# KiCad board haptic display 8x8 aisler.kicad_pcb (continued)
## Routing (per net, layer and track width the routed paths; a pad name or vN(x,y) marks a point on that pad's centre or on a via; arc(x,y) is an arc through that point) (continued)
20,17.05 20.27,17.06 20.54,17.09 20.81,17.15 21.07,17.24 21.32,17.34 21.56,17.47 21.79,17.63 22.01,17.8 22.2,17.99 22.38,18.2 22.54,18.43 22.68,18.67 22.8,18.92 22.89,19.18 22.95,19.45 23,19.72 23.01,20 23,20.28 22.97,20.55 22.91,20.83 22.82,21.09 22.71,21.35 22.58,21.6 22.42,21.83 22.25,22.05 22.05,22.25 21.84,22.43 21.61,22.6 21.36,22.74 21.11,22.85 20.84,22.95 20.56,23.02 20.28,23.06 20,23.07 19.72,23.07 19.43,23.03 19.16,22.97 18.88,22.88 18.62,22.77 18.37,22.63 18.13,22.47 17.91,22.29 17.7,22.09 17.52,21.88 17.35,21.64 17.21,21.39 17.09,21.13 16.99,20.86 16.92,20.58 16.88,20.29 16.86,20 16.87,19.71 16.91,19.42 16.97,19.14 17.06,18.86 17.17,18.59 17.31,18.34 17.48,18.09 17.66,17.87 17.86,17.66 18.09,17.47 18.33,17.3 18.58,17.15 18.85,17.03 19.13,16.93 19.41,16.86 19.71,16.82 20,16.8 20.28,16.81 20.56,16.84 20.83,16.9 21.1,16.98 21.36,17.08 21.61,17.21 21.85,17.36 22.07,17.53 22.28,17.72 22.48,17.92 22.65,18.14 22.81,18.38 22.94,18.63 23.05,18.89 23.14,19.16 23.21,19.43 23.25,19.72 23.26,20 23.25,20.28 23.22,20.57 23.16,20.85 23.08,21.12 22.97,21.39 22.84,21.64 22.69,21.89 22.52,22.11 22.33,22.33 22.12,22.53 21.89,22.7 21.65,22.86 21.4,23 21.13,23.11 20.86,23.2 20.58,23.27 20.29,23.31 20,23.32 19.71,23.32 19.42,23.28 19.14,23.22 18.86,23.14 18.59,23.03 18.33,22.9 18.08,22.74 17.84,22.57 17.63,22.37 17.43,22.16 17.25,21.93 17.08,21.68 16.95,21.42 16.83,21.15 16.74,20.87 16.67,20.59 16.63,20.29 16.61,20 16.62,19.7 16.66,19.41 16.72,19.12 16.8,18.84 16.91,18.56 17.05,18.3 17.21,18.04 17.38,17.8 17.58,17.58 17.8,17.38 18.04,17.19 18.29,17.03 18.55,16.89 18.82,16.77 19.11,16.68 19.4,16.61 19.7,16.57 20,16.55 20.29,16.56 20.57,16.59 20.85,16.65 21.12,16.72 21.39,16.83 21.65,16.95 21.9,17.09 22.14,17.26 22.36,17.44 22.56,17.64 22.75,17.86 22.92,18.09 23.07,18.34 23.2,18.6 23.31,18.86 23.4,19.14 23.46,19.42 23.5,19.71 23.51,20 23.5,20.29 23.47,20.58 23.41,20.86 23.33,21.14 23.23,21.42 23.11,21.68 22.96,21.93 22.79,22.17 22.61,22.4 22.4,22.61 22.18,22.8 21.94,22.97 21.69,23.13 21.43,23.26 21.16,23.37 20.88,23.46 20.59,23.52 20.29,23.56 20,23.57 19.7,23.57 19.41,23.53 19.12,23.48 18.83,23.39 18.56,23.29 18.29,23.16 18.03,23.01 17.79,22.84 17.56,22.65 17.35,22.44 17.15,22.22 16.97,21.98 16.82,21.72 16.68,21.45 16.57,21.18 16.48,20.89 16.42,20.6 16.38,20.3 16.36,20 16.37,19.7 16.41,19.4 16.46,19.1 16.55,18.81 16.65,18.53 16.78,18.26 16.94,18 17.11,17.75 17.3,17.52 17.51,17.3 17.74,17.1 17.99,16.92 18.25,16.76 18.52,16.63 18.8,16.51 19.09,16.42 19.39,16.36 19.69,16.32 20,16.3 20.29,16.31 20.58,16.34 20.87,16.39 21.15,16.47 21.42,16.57 21.69,16.69 21.94,16.83 22.19,16.99 22.42,17.17 22.64,17.36 22.84,17.57 23.02,17.8 23.19,18.05 23.34,18.3 23.46,18.57 23.57,18.84 23.65,19.12 23.71,19.41 23.75,19.71 23.76,20 23.75,20.3 23.72,20.59 23.67,20.88 23.59,21.17 23.49,21.45 23.37,21.72 23.23,21.98 23.06,22.23 22.88,22.46 22.68,22.68 22.47,22.89 22.23,23.07 21.99,23.24 21.73,23.39 21.46,23.52 21.18,23.63 20.89,23.71 20.6,23.77 20.3,23.81 20,23.82 19.7,23.82 19.4,23.78 19.1,23.73 18.81,23.65 18.53,23.55 18.25,23.42 17.99,23.28 17.74,23.11 17.5,22.93 17.27,22.73 17.07,22.51 16.88,22.27 16.7,22.02 16.55,21.76 16.42,21.48 16.31,21.2 16.23,20.91 16.17,20.61 16.13,20.3 16.11,20 16.12,19.69 16.15,19.39 16.21,19.09 16.29,18.79 16.39,18.51 16.52,18.23 16.67,17.96 16.83,17.7 17.02,17.46 17.23,17.23 17.45,17.02 17.69,16.82 17.95,16.65 18.22,16.5 18.49,16.37 18.78,16.26 19.08,16.17 19.38,16.1 19.69,16.07 20,16.05 20.3,16.06 20.59,16.09 20.88,16.14 21.17,16.21 21.45,16.31 21.72,16.43 21.99,16.56 22.24,16.72 22.48,16.89 22.71,17.08 22.92,17.29 23.12,17.51 23.3,17.75 23.46,18 23.6,18.27 23.72,18.54 23.82,18.82 23.9,19.11 23.96,19.4 24,19.7 24.01,20 24,20.3 23.97,20.6 23.92,20.89 23.85,21.19 23.75,21.47 23.63,21.75 23.49,22.02 23.33,22.27 23.16,22.52 22.96,22.75 22.75,22.97 22.52,23.17 22.28,23.35 22.03,23.51 21.76,23.66 21.48,23.78 21.2,23.88 20.9,23.96 20.61,24.02 20.3,24.06 20,24.07 19.7,24.07 19.39,24.04 19.09,23.98 18.8,23.91 18.51,23.81 18.22,23.69 17.95,23.55 17.69,23.39 17.44,23.21 17.21,23.01 16.99,22.79 16.79,22.56 16.6,22.32 16.43,22.06 16.29,21.79 16.16,21.51 16.06,21.22 15.97,20.92 15.91,20.62 15.88,20.31 15.86,20 15.87,19.69 15.9,19.38 15.96,19.08 16.03,18.78 16.13,18.48 16.26,18.2 16.4,17.92 16.56,17.66 16.74,17.4 16.95,17.17 17.16,16.94 17.4,16.74 17.65,16.55 17.91,16.38 18.19,16.23 18.47,16.1 18.77,16 19.07,15.91 19.37,15.85 19.69,15.81 20,15.8 20.3,15.81 20.6,15.84 20.89,15.89 21.19,15.96 21.47,16.05 21.75,16.16 22.02,16.3 22.28,16.45 22.53,16.62 22.77,16.8 22.99,17.01 23.2,17.23 23.39,17.46 23.57,17.71 23.72,17.97 23.86,18.24 23.98,18.52 24.08,18.8 24.16,19.1 24.21,19.39 24.25,19.7 24.26,20 24.25,20.3 24.22,20.61 24.17,20.91 24.1,21.2 24.01,21.49 23.89,21.78 23.76,22.05 23.6,22.32 23.43,22.57 23.24,22.81 23.04,23.04 22.81,23.25 22.58,23.44 22.33,23.62 22.06,23.78 21.79,23.92 21.51,24.04 21.22,24.14 20.92,24.22 20.61,24.28 20.31,24.31 20,24.32 19.69,24.32 19.38,24.29 19.08,24.23 18.78,24.16 18.48,24.07 18.2,23.95 17.92,23.81 17.65,23.66 17.39,23.48 17.15,23.29 16.92,23.08 16.71,22.85 16.51,22.61 16.33,22.36 16.17,22.09 16.02,21.82 15.9,21.53 15.8,21.23 15.72,20.93 15.66,20.62 15.63,20.31 15.61,20 15.62,19.69 15.65,19.37 15.7,19.07 15.78,18.76 15.88,18.46 15.99,18.17 16.13,17.89 16.29,17.62 16.47,17.36 16.66,17.11 16.88,16.88 17.1,16.66 17.35,16.46 17.61,16.28 17.88,16.11 18.16,15.97 18.45,15.84 18.75,15.74 19.06,15.66 19.37,15.6 19.68,15.56 20,15.55 20,15.35 v1(20.35,15) ; v1(20.35,120) 20,120.35 20,120.55 19.68,120.56 19.37,120.6 19.06,120.66 18.75,120.74 18.45,120.84 18.16,120.97 17.88,121.11 17.61,121.28 17.35,121.46 17.1,121.66 16.88,121.88 16.66,122.11 16.47,122.36 16.29,122.62 16.13,122.89 15.99,123.17 15.88,123.46 15.78,123.76 15.7,124.07 15.65,124.37 15.62,124.69 15.61,125 15.63,125.31 15.66,125.62 15.72,125.93 15.8,126.23 15.9,126.53 16.02,126.82 16.17,127.09 16.33,127.36 16.51,127.61 16.71,127.85 16.92,128.08 17.15,128.29 17.39,128.48 17.65,128.66 17.92,128.81 18.2,128.95 18.48,129.07 18.78,129.16 19.08,129.23 19.38,129.29 19.69,129.32 20,129.32 20.31,129.31 20.61,129.28 20.92,129.22 21.22,129.14 21.51,129.04 21.79,128.92 22.06,128.78 22.33,128.62 22.58,128.44 22.81,128.25 23.04,128.04 23.24,127.81 23.43,127.57 23.6,127.32 23.76,127.05 23.89,126.78 24.01,126.49 24.1,126.2 24.17,125.91 24.22,125.61 24.25,125.3 24.26,125 24.25,124.7 24.21,124.39 24.16,124.1 24.08,123.8 23.98,123.52 23.86,123.24 23.72,122.97 23.57,122.71 23.39,122.46 23.2,122.23 22.99,122.01 22.77,121.8 22.53,121.62 22.28,121.45 22.02,121.3 21.75,121.16 21.47,121.05 21.19,120.96 20.89,120.89 20.6,120.84 20.3,120.81 20,120.8 19.69,120.81 19.37,120.85 19.07,120.91 18.77,121 18.47,121.1 18.19,121.23 17.91,121.38 17.65,121.55 17.4,121.74 17.16,121.94 16.95,122.17 16.74,122.4 16.56,122.66 16.4,122.92 16.26,123.2 16.13,123.48 16.03,123.78 15.96,124.08 15.9,124.38 15.87,124.69 15.86,125 15.88,125.31 15.91,125.62 15.97,125.92 16.06,126.22 16.16,126.51 16.29,126.79 16.43,127.06 16.6,127.32 16.79,127.56 16.99,127.79 17.21,128.01 17.44,128.21 17.69,128.39 17.95,128.55 18.22,128.69 18.51,128.81 18.8,128.91 19.09,128.98 19.39,129.04 19.7,129.07 20,129.07 20.3,129.06 20.61,129.02 20.9,128.96 21.2,128.88 21.48,128.78 21.76,128.66 22.03,128.51 22.28,128.35 22.52,128.17 22.75,127.97 22.96,127.75 23.16,127.52 23.33,127.27 23.49,127.02 23.63,126.75 23.75,126.47 23.85,126.19 23.92,125.89 23.97,125.6 24,125.3 24.01,125 24,124.7 23.96,124.4 23.9,124.11 23.82,123.82 23.72,123.54 23.6,123.27 23.46,123 23.3,122.75 23.12,122.51 22.92,122.29 22.71,122.08 22.48,121.89 22.24,121.72 21.99,121.56 21.72,121.43 21.45,121.31 21.17,121.21 20.88,121.14 20.59,121.09 20.3,121.06 20,121.05 19.69,121.07 19.38,121.1 19.08,121.17 18.78,121.26 18.49,121.37 18.22,121.5 17.95,121.65 17.69,121.82 17.45,122.02 17.23,122.23 17.02,122.46 16.83,122.7 16.67,122.96 16.52,123.23 16.39,123.51 16.29,123.79 16.21,124.09 16.15,124.39 16.12,124.69 16.11,125 16.13,125.3 16.17,125.61 16.23,125.91 16.31,126.2 16.42,126.48 16.55,126.76 16.7,127.02 16.88,127.27 17.07,127.51 17.27,127.73 17.5,127.93 17.74,128.11 17.99,128.28 18.25,128.42 18.53,128.55 18.81,128.65 19.1,128.73 19.4,128.78 19.7,128.82 20,128.82 20.3,128.81 20.6,128.77 20.89,128.71 21.18,128.63 21.46,128.52 21.73,128.39 21.99,128.24 22.23,128.07 22.47,127.89 22.68,127.68 22.88,127.46 23.06,127.23 23.23,126.98 23.37,126.72 23.49,126.45 23.59,126.17 23.67,125.88 23.72,125.59 23.75,125.3 23.76,125 23.75,124.71 23.71,124.41 23.65,124.12 23.57,123.84 23.46,123.57 23.34,123.3 23.19,123.05 23.02,122.8 22.84,122.57 22.64,122.36 22.42,122.17 22.19,121.99 21.94,121.83 21.69,121.69 21.42,121.57 21.15,121.47 20.87,121.39 20.58,121.34 20.29,121.31 20,121.3 19.69,121.32 19.39,121.36 19.09,121.42 18.8,121.51 18.52,121.63 18.25,121.76 17.99,121.92 17.74,122.1 17.51,122.3 17.3,122.52 17.11,122.75 16.94,123 16.78,123.26 16.65,123.53 16.55,123.81 16.46,124.1 16.41,124.4 16.37,124.7 16.36,125 16.38,125.3 16.42,125.6 16.48,125.89 16.57,126.18 16.68,126.45 16.82,126.72 16.97,126.98 17.15,127.22 17.35,127.44 17.56,127.65 17.79,127.84 18.03,128.01 18.29,128.16 18.56,128.29 18.83,128.39 19.12,128.48 19.41,128.53 19.7,128.57 20,128.57 20.29,128.56 20.59,128.52 20.88,128.46 21.16,128.37 21.43,128.26 21.69,128.13 21.94,127.97 22.18,127.8 22.4,127.61 22.61,127.4 22.79,127.17 22.96,126.93 23.11,126.68 23.23,126.42 23.33,126.14 23.41,125.86 23.47,125.58 23.5,125.29 23.51,125 23.5,124.71 23.46,124.42 23.4,124.14 23.31,123.86 23.2,123.6 23.07,123.34 22.92,123.09 22.75,122.86 22.56,122.64 22.36,122.44 22.14,122.26 21.9,122.09 21.65,121.95 21.39,121.83 21.12,121.72 20.85,121.65 20.57,121.59 20.29,121.56 20,121.55 19.7,121.57 19.4,121.61 19.11,121.68 18.82,121.77 18.55,121.89 18.29,122.03 18.04,122.19 17.8,122.38 17.58,122.58 17.38,122.8 17.21,123.04 17.05,123.3 16.91,123.56 16.8,123.84 16.72,124.12 16.66,124.41 16.62,124.7 16.61,125 16.63,125.29 16.67,125.59 16.74,125.87 16.83,126.15 16.95,126.42 17.08,126.68 17.25,126.93 17.43,127.16 17.63,127.37 17.84,127.57 18.08,127.74 18.33,127.9 18.59,128.03 18.86,128.14 19.14,128.22 19.42,128.28 19.71,128.32 20,128.32 20.29,128.31 20.58,128.27 20.86,128.2 21.13,128.11 21.4,128 21.65,127.86 21.89,127.7 22.12,127.53 22.33,127.33 22.52,127.11 22.69,126.89 22.84,126.64 22.97,126.39 23.08,126.12 23.16,125.85 23.22,125.57 23.25,125.28 23.26,125 23.25,124.72 23.21,124.43 23.14,124.16 23.05,123.89 22.94,123.63 22.81,123.38 22.65,123.14 22.48,122.92 22.28,122.72 22.07,122.53 21.85,122.36 21.61,122.21 21.36,122.08 21.1,121.98 20.83,121.9 20.56,121.84 20.28,121.81 20,121.8 19.71,121.82 19.41,121.86 19.13,121.93 18.85,122.03 18.58,122.15 18.33,122.3 18.09,122.47 17.86,122.66 17.66,122.87 17.48,123.09 17.31,123.34 17.17,123.59 17.06,123.86 16.97,124.14 16.91,124.42 16.87,124.71 16.86,125 16.88,125.29 16.92,125.58 16.99,125.86 17.09,126.13 17.21,126.39 17.35,126.64 17.52,126.88 17.7,127.09 17.91,127.29 18.13,127.47 18.37,127.63 18.62,127.77 18.88,127.88 19.16,127.97 19.43,128.03 19.72,128.07 20,128.07 20.28,128.06 20.56,128.02 20.84,127.95 21.11,127.85 21.36,127.74 21.61,127.6 21.84,127.43 22.05,127.25 22.25,127.05 22.42,126.83 22.58,126.6 22.71,126.35 22.82,126.09 22.91,125.83 22.97,125.55 23,125.28 23.01,125 23,124.72 22.95,124.45 22.89,124.18 22.8,123.92 22.68,123.67 22.54,123.43 22.38,123.2 22.2,122.99 22.01,122.8 21.79,122.63 21.56,122.47 21.32,122.34 21.07,122.24 20.81,122.15 20.54,122.09 20.27,122.06 20,122.05 19.71,122.07 19.43,122.11 19.15,122.19 18.88,122.29 18.62,122.42 18.37,122.57 18.15,122.74 17.94,122.94 17.75,123.15 17.58,123.38 17.44,123.63 17.32,123.89 17.23,124.16 17.16,124.44 17.12,124.72 17.11,125 17.13,125.28 17.18,125.56 17.25,125.83 17.35,126.1 17.47,126.35 17.62,126.59 17.79,126.81 17.98,127.02 18.19,127.2 18.42,127.37 18.66,127.51 18.91,127.62 19.18,127.71 19.45,127.78 19.72,127.82 20,127.83 20.28,127.81 20.55,127.76 20.82,127.69 21.08,127.6 21.32,127.47 21.56,127.33 21.77,127.16 21.98,126.98 22.16,126.77 22.32,126.55 22.45,126.31 22.57,126.06 22.65,125.81 22.72,125.54 22.75,125.27 22.76,125 22.75,124.73 22.7,124.46 22.63,124.2 22.54,123.95 22.42,123.71 22.28,123.48 22.11,123.26 21.93,123.07 21.73,122.89 21.51,122.74 21.28,122.6 21.04,122.49 20.79,122.41 20.53,122.34 20.27,122.31 20,122.3 19.72,122.32 19.44,122.37 19.17,122.44 18.91,122.55 18.66,122.68 18.43,122.84 18.21,123.02 18.02,123.22 17.85,123.44 17.7,123.67 17.58,123.92 17.48,124.18 17.41,124.45 17.37,124.72 17.36,125 17.38,125.28 17.43,125.55 17.5,125.81 17.61,126.07 17.73,126.31 17.89,126.54 18.06,126.75 18.26,126.94 18.47,127.1 18.7,127.25 18.95,127.37 19.2,127.46 19.46,127.53 19.73,127.57 20,127.58 20.27,127.56 20.53,127.51 20.79,127.44 21.04,127.34 21.28,127.21 21.5,127.06 21.7,126.89 21.89,126.7 22.05,126.49 22.19,126.27 22.31,126.03 22.4,125.78 22.47,125.52 22.5,125.26 22.51,125 22.49,124.74 22.45,124.48 22.38,124.23 22.28,123.98 22.16,123.75 22.01,123.54 21.85,123.34 21.66,123.16 21.45,123 21.24,122.86 21,122.75 20.76,122.66 20.51,122.6 20.26,122.56 20,122.55 19.73,122.57 19.46,122.62 19.2,122.7 18.94,122.81 18.71,122.94 18.49,123.11 18.29,123.29 18.11,123.49 17.96,123.72 17.83,123.96 17.73,124.21 17.66,124.47 17.62,124.73 17.61,125 17.63,125.27 17.68,125.53 17.76,125.78 17.87,126.03 18,126.26 18.15,126.47 18.33,126.67 18.53,126.84 18.75,126.99 18.98,127.11 19.23,127.21 19.48,127.28 19.74,127.31 20,127.33 20.26,127.31 20.52,127.26 20.76,127.18 21,127.08 21.23,126.95 21.43,126.8 21.62,126.62 21.79,126.43 21.93,126.22 22.05,125.99 22.15,125.75 22.21,125.51 22.25,125.25 22.26,125 22.24,124.75 22.2,124.5 22.12,124.26 22.02,124.03 21.9,123.81 21.75,123.61 21.58,123.42 21.39,123.26 21.18,123.12 20.96,123 20.73,122.91 20.49,122.85 20.25,122.81 20,122.8 19.74,122.82 19.48,122.87 19.22,122.96 18.99,123.07 18.76,123.21 18.56,123.37 18.38,123.56 18.22,123.77 18.09,124 17.99,124.24 17.92,124.49 17.87,124.74 17.86,125 17.88,125.26 17.93,125.51 18.01,125.75 18.12,125.98 18.26,126.2 18.42,126.4 18.6,126.57 18.81,126.73 19.03,126.85 19.26,126.95 19.5,127.02 19.75,127.06 20,127.08 20.25,127.06 20.49,127.01 20.73,126.93 20.96,126.82 21.17,126.69 21.36,126.53 21.53,126.35 21.68,126.16 21.8,125.94 21.9,125.72 21.96,125.48 22,125.24 22.01,125 21.99,124.76 21.94,124.52 21.87,124.29 21.76,124.07 21.64,123.87 21.48,123.68 21.31,123.52 21.12,123.38 20.92,123.26 20.7,123.16 20.47,123.1 20.24,123.06 20,123.05 19.75,123.07 19.5,123.13 19.26,123.21 19.04,123.33 18.83,123.47 18.64,123.64 18.48,123.84 18.35,124.05 18.24,124.27 18.17,124.51 18.12,124.75 18.11,125 18.13,125.25 18.19,125.49 18.27,125.72 18.38,125.93 18.52,126.13 18.69,126.31 18.87,126.47 19.08,126.6 19.3,126.7 19.52,126.77 19.76,126.81 20,126.83 20.24,126.8 20.47,126.75 20.69,126.67 20.9,126.56 21.1,126.43 21.27,126.27 21.42,126.09 21.54,125.89 21.64,125.68 21.71,125.46 21.75,125.23 21.76,125 21.74,124.77 21.69,124.55 21.61,124.33 21.51,124.13 21.38,123.94 21.22,123.78 21.05,123.63 20.86,123.51 20.66,123.41 20.44,123.35 20.22,123.31 20,123.3 19.76,123.32 19.52,123.38 19.3,123.47 19.09,123.59 18.91,123.74 18.74,123.91 18.6,124.1 18.49,124.31 18.42,124.54 18.37,124.77 18.36,125 18.38,125.23 18.44,125.46 18.53,125.67 18.64,125.87 18.78,126.05 18.95,126.21 19.14,126.34 19.34,126.45 19.55,126.52 19.78,126.56 20,126.58 20.22,126.55 20.44,126.5 20.65,126.42 20.84,126.31 21.01,126.17 21.16,126.01 21.29,125.83 21.39,125.64 21.46,125.43 21.5,125.22 21.51,125 21.49,124.79 21.44,124.58 21.36,124.38 21.25,124.19 21.12,124.03 20.97,123.88 20.8,123.76 20.61,123.67 20.41,123.6 20.21,123.56 20,123.55 20,123.6 19.63,123.97 19.59,123.98
  In2.Cu w0.15: v1(20.35,105) 20,105.35 20,105.55 20.32,105.56 20.63,105.6 20.94,105.66 21.25,105.74 21.55,105.84 21.84,105.97 22.12,106.11 22.39,106.28 22.65,106.46 22.9,106.66 23.12,106.88 23.34,107.11 23.53,107.36 23.71,107.62 23.87,107.89 24.01,108.17 24.12,108.46 24.22,108.76 24.3,109.07 24.35,109.37 24.38,109.69 24.39,110 24.37,110.31 24.34,110.62 24.28,110.93 24.2,111.23 24.1,111.53 23.98,111.82 23.83,112.09 23.67,112.36 23.49,112.61 23.29,112.85 23.08,113.08 22.85,113.29 22.61,113.48 22.35,113.66 22.08,113.81 21.8,113.95 21.52,114.07 21.22,114.16 20.92,114.23 20.62,114.29 20.31,114.32 20,114.33 19.69,114.31 19.39,114.28 19.08,114.22 18.78,114.14 18.49,114.04 18.21,113.92 17.94,113.78 17.67,113.62 17.42,113.44 17.19,113.25 16.96,113.04 16.76,112.81 16.57,112.57 16.4,112.32 16.24,112.05 16.11,111.78 15.99,111.49 15.9,111.2 15.83,110.91 15.78,110.61 15.75,110.3 15.74,110 15.75,109.7 15.79,109.39 15.84,109.1 15.92,108.8 16.02,108.52 16.14,108.24 16.28,107.97 16.43,107.71 16.61,107.46 16.8,107.23 17.01,107.01 17.23,106.8 17.47,106.62 17.72,106.45 17.98,106.3 18.25,106.16 18.53,106.05 18.81,105.96 19.11,105.89 19.4,105.84 19.7,105.81 20,105.8 20.31,105.81 20.63,105.85 20.93,105.91 21.23,106 21.53,106.1 21.81,106.23 22.09,106.38 22.35,106.55 22.6,106.74 22.84,106.94 23.05,107.17 23.26,107.4 23.44,107.66 23.6,107.92 23.74,108.2 23.87,108.48 23.97,108.78 24.04,109.08 24.1,109.38 24.13,109.69 24.14,110 24.12,110.31 24.09,110.62 24.03,110.92 23.94,111.22 23.84,111.51 23.71,111.79 23.57,112.06 23.4,112.32 23.21,112.56 23.01,112.79 22.79,113.01 22.56,113.21 22.31,113.39 22.05,113.55 21.78,113.69 21.49,113.81 21.2,113.91 20.91,113.98 20.61,114.04 20.3,114.07 20,114.08 19.7,114.06 19.39,114.02 19.1,113.96 18.8,113.88 18.52,113.78 18.24,113.66 17.97,113.51 17.72,113.35 17.48,113.17 17.25,112.97 17.04,112.75 16.84,112.52 16.67,112.27 16.51,112.02 16.37,111.75 16.25,111.47 16.15,111.19 16.08,110.89 16.03,110.6 16,110.3 15.99,110 16,109.7 16.04,109.4 16.1,109.11 16.18,108.82 16.28,108.54 16.4,108.27 16.54,108 16.7,107.75 16.88,107.51 17.08,107.29 17.29,107.08 17.52,106.89 17.76,106.72 18.01,106.56 18.28,106.43 18.55,106.31 18.83,106.21 19.12,106.14 19.41,106.09 19.7,106.06 20,106.05 20.31,106.07 20.62,106.1 20.92,106.17 21.22,106.26 21.51,106.37 21.78,106.5 22.05,106.65 22.31,106.82 22.55,107.02 22.77,107.23 22.98,107.46 23.17,107.7 23.33,107.96 23.48,108.23 23.61,108.51 23.71,108.79 23.79,109.09 23.85,109.39 23.88,109.69 23.89,110 23.87,110.3 23.83,110.61 23.77,110.91 23.69,111.2 23.58,111.48 23.45,111.76 23.3,112.02 23.12,112.27 22.93,112.51 22.73,112.73 22.5,112.93 22.26,113.11 22.01,113.28 21.75,113.42 21.47,113.55 21.19,113.65 20.9,113.73 20.6,113.78 20.3,113.82 20,113.83 19.7,113.81 19.4,113.77 19.11,113.71 18.82,113.63 18.54,113.52 18.27,113.39 18.01,113.24 17.77,113.07 17.53,112.89 17.32,112.68 17.12,112.46 16.94,112.23 16.77,111.98 16.63,111.72 16.51,111.45 16.41,111.17 16.33,110.88 16.28,110.59 16.25,110.3 16.24,110 16.25,109.71 16.29,109.41 16.35,109.12 16.43,108.84 16.54,108.57 16.66,108.3 16.81,108.05 16.98,107.8 17.16,107.57 17.36,107.36 17.58,107.17 17.81,106.99 18.06,106.83 18.31,106.69 18.58,106.57 18.85,106.47 19.13,106.39 19.42,106.34 19.71,106.31 20,106.3 20.31,106.32 20.61,106.36 20.91,106.42 21.2,106.51 21.48,106.63 21.75,106.76 22.01,106.92 22.26,107.1 22.49,107.3 22.7,107.52 22.89,107.75 23.06,108 23.22,108.26 23.35,108.53 23.45,108.81 23.54,109.1 23.59,109.4 23.63,109.7 23.64,110 23.62,110.3 23.58,110.6 23.52,110.89 23.43,111.18 23.32,111.45 23.18,111.72 23.03,111.98 22.85,112.22 22.65,112.44 22.44,112.65 22.21,112.84 21.97,113.01 21.71,113.16 21.44,113.29 21.17,113.39 20.88,113.48 20.59,113.53 20.3,113.57 20,113.58 19.71,113.56 19.41,113.52 19.12,113.46 18.84,113.37 18.57,113.26 18.31,113.13 18.06,112.97 17.82,112.8 17.6,112.61 17.39,112.4 17.21,112.17 17.04,111.93 16.89,111.68 16.77,111.42 16.67,111.14 16.59,110.86 16.53,110.58 16.5,110.29 16.49,110 16.5,109.71 16.54,109.42 16.6,109.14 16.69,108.86 16.8,108.6 16.93,108.34 17.08,108.09 17.25,107.86 17.44,107.64 17.64,107.44 17.86,107.26 18.1,107.09 18.35,106.95 18.61,106.83 18.88,106.72 19.15,106.65 19.43,106.59 19.71,106.56 20,106.55 20.3,106.57 20.6,106.61 20.89,106.68 21.18,106.77 21.45,106.89 21.71,107.03 21.96,107.19 22.2,107.38 22.42,107.58 22.62,107.8 22.79,108.04 22.95,108.3 23.09,108.56 23.2,108.84 23.28,109.12 23.34,109.41 23.38,109.7 23.39,110 23.37,110.29 23.33,110.59 23.26,110.87 23.17,111.15 23.05,111.42 22.92,111.68 22.75,111.93 22.57,112.16 22.37,112.37 22.16,112.57 21.92,112.74 21.67,112.9 21.41,113.03 21.14,113.14 20.86,113.22 20.58,113.28 20.29,113.32 20,113.33 19.71,113.31 19.42,113.27 19.14,113.2 18.87,113.11 18.6,113 18.35,112.86 18.11,112.7 17.88,112.53 17.67,112.33 17.48,112.11 17.31,111.89 17.16,111.64 17.03,111.39 16.92,111.12 16.84,110.85 16.78,110.57 16.75,110.28 16.74,110 16.75,109.72 16.79,109.43 16.86,109.16 16.95,108.89 17.06,108.63 17.19,108.38 17.35,108.14 17.52,107.92 17.72,107.72 17.93,107.53 18.15,107.36 18.39,107.21 18.64,107.08 18.9,106.98 19.17,106.9 19.44,106.84 19.72,106.81 20,106.8 20.29,106.82 20.59,106.86 20.87,106.93 21.15,107.03 21.42,107.15 21.67,107.3 21.91,107.47 22.14,107.66 22.34,107.87 22.52,108.09 22.69,108.34 22.83,108.59 22.94,108.86 23.03,109.14 23.09,109.42 23.13,109.71 23.14,110 23.12,110.29 23.08,110.58 23.01,110.86 22.91,111.13 22.79,111.39 22.65,111.64 22.48,111.88 22.3,112.09 22.09,112.29 21.87,112.47 21.63,112.63 21.38,112.77 21.12,112.88 20.84,112.97 20.57,113.03 20.28,113.07 20,113.08 19.72,113.06 19.44,113.02 19.16,112.95 18.89,112.85 18.64,112.74 18.39,112.6 18.16,112.43 17.95,112.25 17.75,112.05 17.58,111.83 17.42,111.6 17.29,111.35 17.18,111.09 17.09,110.83 17.03,110.55 17,110.28 16.99,110 17,109.72 17.05,109.45 17.11,109.18 17.2,108.92 17.32,108.67 17.46,108.43 17.62,108.2 17.8,107.99 17.99,107.8 18.21,107.63 18.44,107.47 18.68,107.34 18.93,107.24 19.19,107.15 19.46,107.09 19.73,107.06 20,107.05 20.29,107.07 20.57,107.11 20.85,107.19 21.12,107.29 21.38,107.42 21.63,107.57 21.85,107.74 22.06,107.94 22.25,108.15 22.42,108.38 22.56,108.63 22.68,108.89 22.77,109.16 22.84,109.44 22.88,109.72 22.89,110 22.87,110.28 22.82,110.56 22.75,110.83 22.65,111.1 22.53,111.35 22.38,111.59 22.21,111.81 22.02,112.02 21.81,112.2 21.58,112.37 21.34,112.51 21.09,112.62 20.82,112.71 20.55,112.78 20.28,112.82 20,112.83 19.72,112.81 19.45,112.76 19.18,112.69 18.92,112.6 18.68,112.47 18.44,112.33 18.23,112.16 18.02,111.98 17.84,111.77 17.68,111.55 17.55,111.31 17.43,111.06 17.35,110.81 17.28,110.54 17.25,110.27 17.24,110 17.25,109.73 17.3,109.46 17.37,109.2 17.46,108.95 17.58,108.71 17.72,108.48 17.89,108.26 18.07,108.07 18.27,107.89 18.49,107.74 18.72,107.6 18.96,107.49 19.21,107.41 19.47,107.34 19.73,107.31 20,107.3 20.28,107.32 20.56,107.37 20.83,107.44 21.09,107.55 21.34,107.68 21.57,107.84 21.79,108.02 21.98,108.22 22.15,108.44 22.3,108.67 22.42,108.92 22.52,109.18 22.59,109.45 22.63,109.72 22.64,110 22.62,110.28 22.57,110.55 22.5,110.81 22.39,111.07 22.27,111.31 22.11,111.54 21.94,111.75 21.74,111.94 21.53,112.1 21.3,112.25 21.05,112.37 20.8,112.46 20.54,112.53 20.27,112.57 20,112.58 19.73,112.56 19.47,112.51 19.21,112.44 18.96,112.34 18.72,112.21 18.5,112.06 18.3,111.89 18.11,111.7 17.95,111.49 17.81,111.27 17.69,111.03 17.6,110.78 17.53,110.52 17.5,110.26 17.49,110 17.51,109.74 17.55,109.48 17.62,109.23 17.72,108.98 17.84,108.75 17.99,108.54 18.15,108.34 18.34,108.16 18.55,108 18.76,107.86 19,107.75 19.24,107.66 19.49,107.6 19.74,107.56 20,107.55 20.27,107.57 20.54,107.62 20.8,107.7 21.06,107.81 21.29,107.94 21.51,108.11 21.71,108.29 21.89,108.49 22.04,108.72 22.17,108.96 22.27,109.21 22.34,109.47 22.38,109.73 22.39,110 22.37,110.27 22.32,110.53 22.24,110.78 22.13,111.03 22,111.26 21.85,111.47 21.67,111.67 21.47,111.84 21.25,111.99 21.02,112.11 20.77,112.21 20.52,112.28 20.26,112.31 20,112.33 19.74,112.31 19.48,112.26 19.24,112.18 19,112.08 18.77,111.95 18.57,111.8 18.38,111.62 18.21,111.43 18.07,111.22 17.95,110.99 17.85,110.75 17.79,110.51 17.75,110.25 17.74,110 17.76,109.75 17.8,109.5 17.88,109.26 17.98,109.03 18.1,108.81 18.25,108.61 18.42,108.42 18.61,108.26 18.82,108.12 19.04,108 19.27,107.91 19.51,107.85 19.75,107.81 20,107.8 20.26,107.82 20.52,107.87 20.78,107.96 21.01,108.07 21.24,108.21 21.44,108.37 21.62,108.56 21.78,108.77 21.91,109 22.01,109.24 22.08,109.49 22.13,109.74 22.14,110 22.12,110.26 22.07,110.51 21.99,110.75 21.88,110.98 21.74,111.2 21.58,111.4 21.4,111.57 21.19,111.73 20.97,111.85 20.74,111.95 20.5,112.02 20.25,112.06 20,112.08 19.75,112.06 19.51,112.01 19.27,111.93 19.04,111.82 18.83,111.69 18.64,111.53 18.47,111.35 18.32,111.16 18.2,110.94 18.1,110.72 18.04,110.48 18,110.24 17.99,110 18.01,109.76 18.06,109.52 18.13,109.29 18.24,109.07 18.36,108.87 18.52,108.68 18.69,108.52 18.88,108.38 19.08,108.26 19.3,108.16 19.53,108.1 19.76,108.06 20,108.05 20.25,108.07 20.5,108.13 20.74,108.21 20.96,108.33 21.17,108.47 21.36,108.64 21.52,108.84 21.65,109.05 21.76,109.27 21.83,109.51 21.88,109.75 21.89,110 21.87,110.25 21.81,110.49 21.73,110.72 21.62,110.93 21.48,111.13 21.31,111.31 21.13,111.47 20.92,111.6 20.7,111.7 20.48,111.77 20.24,111.81 20,111.83 19.76,111.8 19.53,111.75 19.31,111.67 19.1,111.56 18.9,111.43 18.73,111.27 18.58,111.09 18.46,110.89 18.36,110.68 18.29,110.46 18.25,110.23 18.24,110 18.26,109.77 18.31,109.55 18.39,109.33 18.49,109.13 18.62,108.94 18.78,108.78 18.95,108.63 19.14,108.51 19.34,108.41 19.56,108.35 19.78,108.31 20,108.3 20.24,108.32 20.48,108.38 20.7,108.47 20.91,108.59 21.09,108.74 21.26,108.91 21.4,109.1 21.51,109.31 21.58,109.54 21.63,109.77 21.64,110 21.62,110.23 21.56,110.46 21.47,110.67 21.36,110.87 21.22,111.05 21.05,111.21 20.86,111.34 20.66,111.45 20.45,111.52 20.22,111.56 20,111.58 19.78,111.55 19.56,111.5 19.35,111.42 19.16,111.31 18.99,111.17 18.84,111.01 18.71,110.83 18.61,110.64 18.54,110.43 18.5,110.22 18.49,110 18.51,109.79 18.56,109.58 18.64,109.38 18.75,109.19 18.88,109.03 19.03,108.88 19.2,108.76 19.39,108.67 19.59,108.6 19.79,108.56 20,108.55 20,108.6 20.36,108.96 20.41,108.98 ; v1(20.35,90) 20,90.35 20,90.55 20.32,90.56 20.63,90.6 20.94,90.66 21.25,90.74 21.55,90.84 21.84,90.97 22.12,91.11 22.39,91.28 22.65,91.46 22.9,91.66 23.12,91.88 23.34,92.11 23.53,92.36 23.71,92.62 23.87,92.89 24.01,93.17 24.12,93.46 24.22,93.76 24.3,94.07 24.35,94.37 24.38,94.69 24.39,95 24.37,95.31 24.34,95.62 24.28,95.93 24.2,96.23 24.1,96.53 23.98,96.82 23.83,97.09 23.67,97.36 23.49,97.61 23.29,97.85 23.08,98.08 22.85,98.29 22.61,98.48 22.35,98.66 22.08,98.81 21.8,98.95 21.52,99.07 21.22,99.16 20.92,99.23 20.62,99.29 20.31,99.32 20,99.33 19.69,99.31 19.39,99.28 19.08,99.22 18.78,99.14 18.49,99.04 18.21,98.92 17.94,98.78 17.67,98.62 17.42,98.44 17.19,98.25 16.96,98.04 16.76,97.81 16.57,97.57 16.4,97.32 16.24,97.05 16.11,96.78 15.99,96.49 15.9,96.2 15.83,95.91 15.78,95.61 15.75,95.3 15.74,95 15.75,94.7 15.79,94.39 15.84,94.1 15.92,93.8 16.02,93.52 16.14,93.24 16.28,92.97 16.43,92.71 16.61,92.46 16.8,92.23 17.01,92.01 17.23,91.8 17.47,91.62 17.72,91.45 17.98,91.3 18.25,91.16 18.53,91.05 18.81,90.96 19.11,90.89 19.4,90.84 19.7,90.81 20,90.8 20.31,90.81 20.63,90.85 20.93,90.91 21.23,91 21.53,91.1 21.81,91.23 22.09,91.38 22.35,91.55 22.6,91.74 22.84,91.94 23.05,92.17 23.26,92.4 23.44,92.66 23.6,92.92 23.74,93.2 23.87,93.48 23.97,93.78 24.04,94.08 24.1,94.38 24.13,94.69 24.14,95 24.12,95.31 24.09,95.62 24.03,95.92 23.94,96.22 23.84,96.51 23.71,96.79 23.57,97.06 23.4,97.32 23.21,97.56 23.01,97.79 22.79,98.01 22.56,98.21 22.31,98.39 22.05,98.55 21.78,98.69 21.49,98.81 21.2,98.91 20.91,98.98 20.61,99.04 20.3,99.07 20,99.08 19.7,99.06 19.39,99.02 19.1,98.96 18.8,98.88 18.52,98.78 18.24,98.66 17.97,98.51 17.72,98.35 17.48,98.17 17.25,97.97 17.04,97.75 16.84,97.52 16.67,97.27 16.51,97.02 16.37,96.75 16.25,96.47 16.15,96.19 16.08,95.89 16.03,95.6 16,95.3 15.99,95 16,94.7 16.04,94.4 16.1,94.11 16.18,93.82 16.28,93.54 16.4,93.27 16.54,93 16.7,92.75 16.88,92.51 17.08,92.29 17.29,92.08 17.52,91.89 17.76,91.72 18.01,91.56 18.28,91.43 18.55,91.31 18.83,91.21 19.12,91.14 19.41,91.09 19.7,91.06 20,91.05 20.31,91.07 20.62,91.1 20.92,91.17 21.22,91.26 21.51,91.37 21.78,91.5 22.05,91.65 22.31,91.82 22.55,92.02 22.77,92.23 22.98,92.46 23.17,92.7 23.33,92.96 23.48,93.23 23.61,93.51 23.71,93.79 23.79,94.09 23.85,94.39 23.88,94.69 23.89,95 23.87,95.3 23.83,95.61 23.77,95.91 23.69,96.2 23.58,96.48 23.45,96.76 23.3,97.02 23.12,97.27 22.93,97.51 22.73,97.73 22.5,97.93 22.26,98.11 22.01,98.28 21.75,98.42 21.47,98.55 21.19,98.65 20.9,98.73 20.6,98.78 20.3,98.82 20,98.83 19.7,98.81 19.4,98.77 19.11,98.71 18.82,98.63 18.54,98.52 18.27,98.39 18.01,98.24 17.77,98.07 17.53,97.89 17.32,97.68 17.12,97.46 16.94,97.23 16.77,96.98 16.63,96.72 16.51,96.45 16.41,96.17 16.33,95.88 16.28,95.59 16.25,95.3 16.24,95 16.25,94.71 16.29,94.41 16.35,94.12 16.43,93.84 16.54,93.57 16.66,93.3 16.81,93.05 16.98,92.8 17.16,92.57 17.36,92.36 17.58,92.17 17.81,91.99 18.06,91.83 18.31,91.69 18.58,91.57 18.85,91.47 19.13,91.39 19.42,91.34 19.71,91.31 20,91.3 20.31,91.32 20.61,91.36 20.91,91.42 21.2,91.51 21.48,91.63 21.75,91.76 22.01,91.92 22.26,92.1 22.49,92.3 22.7,92.52 22.89,92.75 23.06,93 23.22,93.26 23.35,93.53 23.45,93.81 23.54,94.1 23.59,94.4 23.63,94.7 23.64,95 23.62,95.3 23.58,95.6 23.52,95.89 23.43,96.18 23.32,96.45 23.18,96.72 23.03,96.98 22.85,97.22 22.65,97.44 22.44,97.65 22.21,97.84 21.97,98.01 21.71,98.16 21.44,98.29 21.17,98.39 20.88,98.48 20.59,98.53 20.3,98.57 20,98.58 19.71,98.56 19.41,98.52 19.12,98.46 18.84,98.37 18.57,98.26 18.31,98.13 18.06,97.97 17.82,97.8 17.6,97.61 17.39,97.4 17.21,97.17 17.04,96.93 16.89,96.68 16.77,96.42 16.67,96.14 16.59,95.86 16.53,95.58 16.5,95.29 16.49,95 16.5,94.71 16.54,94.42 16.6,94.14 16.69,93.86 16.8,93.6 16.93,93.34 17.08,93.09 17.25,92.86 17.44,92.64 17.64,92.44 17.86,92.26 18.1,92.09 18.35,91.95 18.61,91.83 18.88,91.72 19.15,91.65 19.43,91.59 19.71,91.56 20,91.55 20.3,91.57 20.6,91.61 20.89,91.68 21.18,91.77 21.45,91.89 21.71,92.03 21.96,92.19 22.2,92.38 22.42,92.58 22.62,92.8 22.79,93.04 22.95,93.3 23.09,93.56 23.2,93.84 23.28,94.12 23.34,94.41 23.38,94.7 23.39,95 23.37,95.29 23.33,95.59 23.26,95.87 23.17,96.15 23.05,96.42 22.92,96.68 22.75,96.93 22.57,97.16 22.37,97.37 22.16,97.57 21.92,97.74 21.67,97.9 21.41,98.03 21.14,98.14 20.86,98.22 20.58,98.28 20.29,98.32 20,98.33 19.71,98.31 19.42,98.27 19.14,98.2 18.87,98.11 18.6,98 18.35,97.86 18.11,97.7 17.88,97.53 17.67,97.33 17.48,97.11 17.31,96.89 17.16,96.64 17.03,96.39 16.92,96.12 16.84,95.85 16.78,95.57 16.75,95.28 16.74,95 16.75,94.72 16.79,94.43 16.86,94.16 16.95,93.89 17.06,93.63 17.19,93.38 17.35,93.14 17.52,92.92 17.72,92.72 17.93,92.53 18.15,92.36 18.39,92.21 18.64,92.08 18.9,91.98 19.17,91.9 19.44,91.84 19.72,91.81 20,91.8 20.29,91.82 20.59,91.86 20.87,91.93 21.15,92.03 21.42,92.15 21.67,92.3 21.91,92.47 22.14,92.66 22.34,92.87 22.52,93.09 22.69,93.34 22.83,93.59 22.94,93.86 23.03,94.14 23.09,94.42 23.13,94.71 23.14,95 23.12,95.29 23.08,95.58 23.01,95.86 22.91,96.13 22.79,96.39 22.65,96.64 22.48,96.88 22.3,97.09 22.09,97.29 21.87,97.47 21.63,97.63 21.38,97.77 21.12,97.88 20.84,97.97 20.57,98.03 20.28,98.07 20,98.08 19.72,98.06 19.44,98.02 19.16,97.95 18.89,97.85 18.64,97.74 18.39,97.6 18.16,97.43 17.95,97.25 17.75,97.05 17.58,96.83 17.42,96.6 17.29,96.35 17.18,96.09 17.09,95.83 17.03,95.55 17,95.28 16.99,95 17,94.72 17.05,94.45 17.11,94.18 17.2,93.92 17.32,93.67 17.46,93.43 17.62,93.2 17.8,92.99 17.99,92.8 18.21,92.63 18.44,92.47 18.68,92.34 18.93,92.24 19.19,92.15 19.46,92.09 19.73,92.06 20,92.05 20.29,92.07 20.57,92.11 20.85,92.19 21.12,92.29 21.38,92.42 21.63,92.57 21.85,92.74 22.06,92.94 22.25,93.15 22.42,93.38 22.56,93.63 22.68,93.89 22.77,94.16 22.84,94.44 22.88,94.72 22.89,95 22.87,95.28 22.82,95.56 22.75,95.83 22.65,96.1 22.53,96.35 22.38,96.59 22.21,96.81 22.02,97.02 21.81,97.2 21.58,97.37 21.34,97.51 21.09,97.62 20.82,97.71 20.55,97.78 20.28,97.82 20,97.83 19.72,97.81 19.45,97.76 19.18,97.69 18.92,97.6 18.68,97.47 18.44,97.33 18.23,97.16 18.02,96.98 17.84,96.77 17.68,96.55 17.55,96.31 17.43,96.06 17.35,95.81 17.28,95.54 17.25,95.27 17.24,95 17.25,94.73 17.3,94.46 17.37,94.2 17.46,93.95 17.58,93.71 17.72,93.48 17.89,93.26 18.07,93.07 18.27,92.89 18.49,92.74 18.72,92.6 18.96,92.49 19.21,92.41 19.47,92.34 19.73,92.31 20,92.3 20.28,92.32 20.56,92.37 20.83,92.44 21.09,92.55 21.34,92.68 21.57,92.84 21.79,93.02 21.98,93.22 22.15,93.44 22.3,93.67 22.42,93.92 22.52,94.18 22.59,94.45 22.63,94.72 22.64,95 22.62,95.28 22.57,95.55 22.5,95.81 22.39,96.07 22.27,96.31 22.11,96.54 21.94,96.75 21.74,96.94 21.53,97.1 21.3,97.25 21.05,97.37 20.8,97.46 20.54,97.53 20.27,97.57 20,97.58 19.73,97.56 19.47,97.51 19.21,97.44 18.96,97.34 18.72,97.21 18.5,97.06 18.3,96.89 18.11,96.7 17.95,96.49 17.81,96.27 17.69,96.03 17.6,95.78 17.53,95.52 17.5,95.26 17.49,95 17.51,94.74 17.55,94.48 17.62,94.23 17.72,93.98 17.84,93.75 17.99,93.54 18.15,93.34 18.34,93.16 18.55,93 18.76,92.86 19,92.75 19.24,92.66 19.49,92.6 19.74,92.56 20,92.55 20.27,92.57 20.54,92.62 20.8,92.7 21.06,92.81 21.29,92.94 21.51,93.11 21.71,93.29 21.89,93.49 22.04,93.72 22.17,93.96 22.27,94.21 22.34,94.47 22.38,94.73 22.39,95 22.37,95.27 22.32,95.53 22.24,95.78 22.13,96.03 22,96.26 21.85,96.47 21.67,96.67 21.47,96.84 21.25,96.99 21.02,97.11 20.77,97.21 20.52,97.28 20.26,97.31 20,97.33 19.74,97.31 19.48,97.26 19.24,97.18 19,97.08 18.77,96.95 18.57,96.8 18.38,96.62 18.21,96.43 18.07,96.22 17.95,95.99 17.85,95.75 17.79,95.51 17.75,95.25 17.74,95 17.76,94.75 17.8,94.5 17.88,94.26 17.98,94.03 18.1,93.81 18.25,93.61 18.42,93.42 18.61,93.26 18.82,93.12 19.04,93 19.27,92.91 19.51,92.85 19.75,92.81 20,92.8 20.26,92.82 20.52,92.87 20.78,92.96 21.01,93.07 21.24,93.21 21.44,93.37 21.62,93.56 21.78,93.77 21.91,94 22.01,94.24 22.08,94.49 22.13,94.74 22.14,95 22.12,95.26 22.07,95.51 21.99,95.75 21.88,95.98 21.74,96.2 21.58,96.4 21.4,96.57 21.19,96.73 20.97,96.85 20.74,96.95 20.5,97.02 20.25,97.06 20,97.08 19.75,97.06 19.51,97.01 19.27,96.93 19.04,96.82 18.83,96.69 18.64,96.53 18.47,96.35 18.32,96.16 18.2,95.94 18.1,95.72 18.04,95.48 18,95.24 17.99,95 18.01,94.76 18.06,94.52 18.13,94.29 18.24,94.07 18.36,93.87 18.52,93.68 18.69,93.52 18.88,93.38 19.08,93.26 19.3,93.16 19.53,93.1 19.76,93.06 20,93.05 20.25,93.07 20.5,93.13 20.74,93.21 20.96,93.33 21.17,93.47 21.36,93.64 21.52,93.84 21.65,94.05 21.76,94.27 21.83,94.51 21.88,94.75 21.89,95 21.87,95.25 21.81,95.49 21.73,95.72 21.62,95.93 21.48,96.13 21.31,96.31 21.13,96.47 20.92,96.6 20.7,96.7 20.48,96.77 20.24,96.81 20,96.83 19.76,96.8 19.53,96.75 19.31,96.67 19.1,96.56 18.9,96.43 18.73,96.27 18.58,96.09 18.46,95.89 18.36,95.68 18.29,95.46 18.25,95.23 18.24,95 18.26,94.77 18.31,94.55 18.39,94.33 18.49,94.13 18.62,93.94 18.78,93.78 18.95,93.63 19.14,93.51 19.34,93.41 19.56,93.35 19.78,93.31 20,93.3 20.24,93.32 20.48,93.38 20.7,93.47 20.91,93.59 21.09,93.74 21.26,93.91 21.4,94.1 21.51,94.31 21.58,94.54 21.63,94.77 21.64,95 21.62,95.23 21.56,95.46 21.47,95.67 21.36,95.87 21.22,96.05 21.05,96.21 20.86,96.34 20.66,96.45 20.45,96.52 20.22,96.56 20,96.58 19.78,96.55 19.56,96.5 19.35,96.42 19.16,96.31 18.99,96.17 18.84,96.01 18.71,95.83 18.61,95.64 18.54,95.43 18.5,95.22 18.49,95 18.51,94.79 18.56,94.58 18.64,94.38 18.75,94.19 18.88,94.03 19.03,93.88 19.2,93.76 19.39,93.67 19.59,93.6 19.79,93.56 20,93.55 20,93.6 20.36,93.96 20.41,93.98 ; v1(20.35,75) 20,75.35 20,75.55 20.32,75.56 20.63,75.6 20.94,75.66 21.25,75.74 21.55,75.84 21.84,75.97 22.12,76.11 22.39,76.28 22.65,76.46 22.9,76.66 23.12,76.88 23.34,77.11 23.53,77.36 23.71,77.62 23.87,77.89 24.01,78.17 24.12,78.46 24.22,78.76 24.3,79.07 24.35,79.37 24.38,79.69 24.39,80 24.37,80.31 24.34,80.62 24.28,80.93 24.2,81.23 24.1,81.53 23.98,81.82 23.83,82.09 23.67,82.36 23.49,82.61 23.29,82.85 23.08,83.08 22.85,83.29 22.61,83.48 22.35,83.66 22.08,83.81 21.8,83.95 21.52,84.07 21.22,84.16 20.92,84.23 20.62,84.29 20.31,84.32 20,84.33 19.69,84.31 19.39,84.28 19.08,84.22 18.78,84.14 18.49,84.04 18.21,83.92 17.94,83.78 17.67,83.62 17.42,83.44 17.19,83.25 16.96,83.04 16.76,82.81 16.57,82.57 16.4,82.32 